# Altium PCB Austindetz_CM4_Board_v1.0.PcbDoc (part 2 of 6)
Units mil, origin at the board's own origin, x right, y up, seen from the top; angles counter-clockwise.
Board outline 4020 x 5659.29 mil, 6 copper layers (Top Layer, 02_GND1, 03_SIg1, 04_SIg2, 05_Pwr1, Bottom Layer), stack 60.56 mil thick; 407 components, 332 nets, 1812 pads, 973 vias.
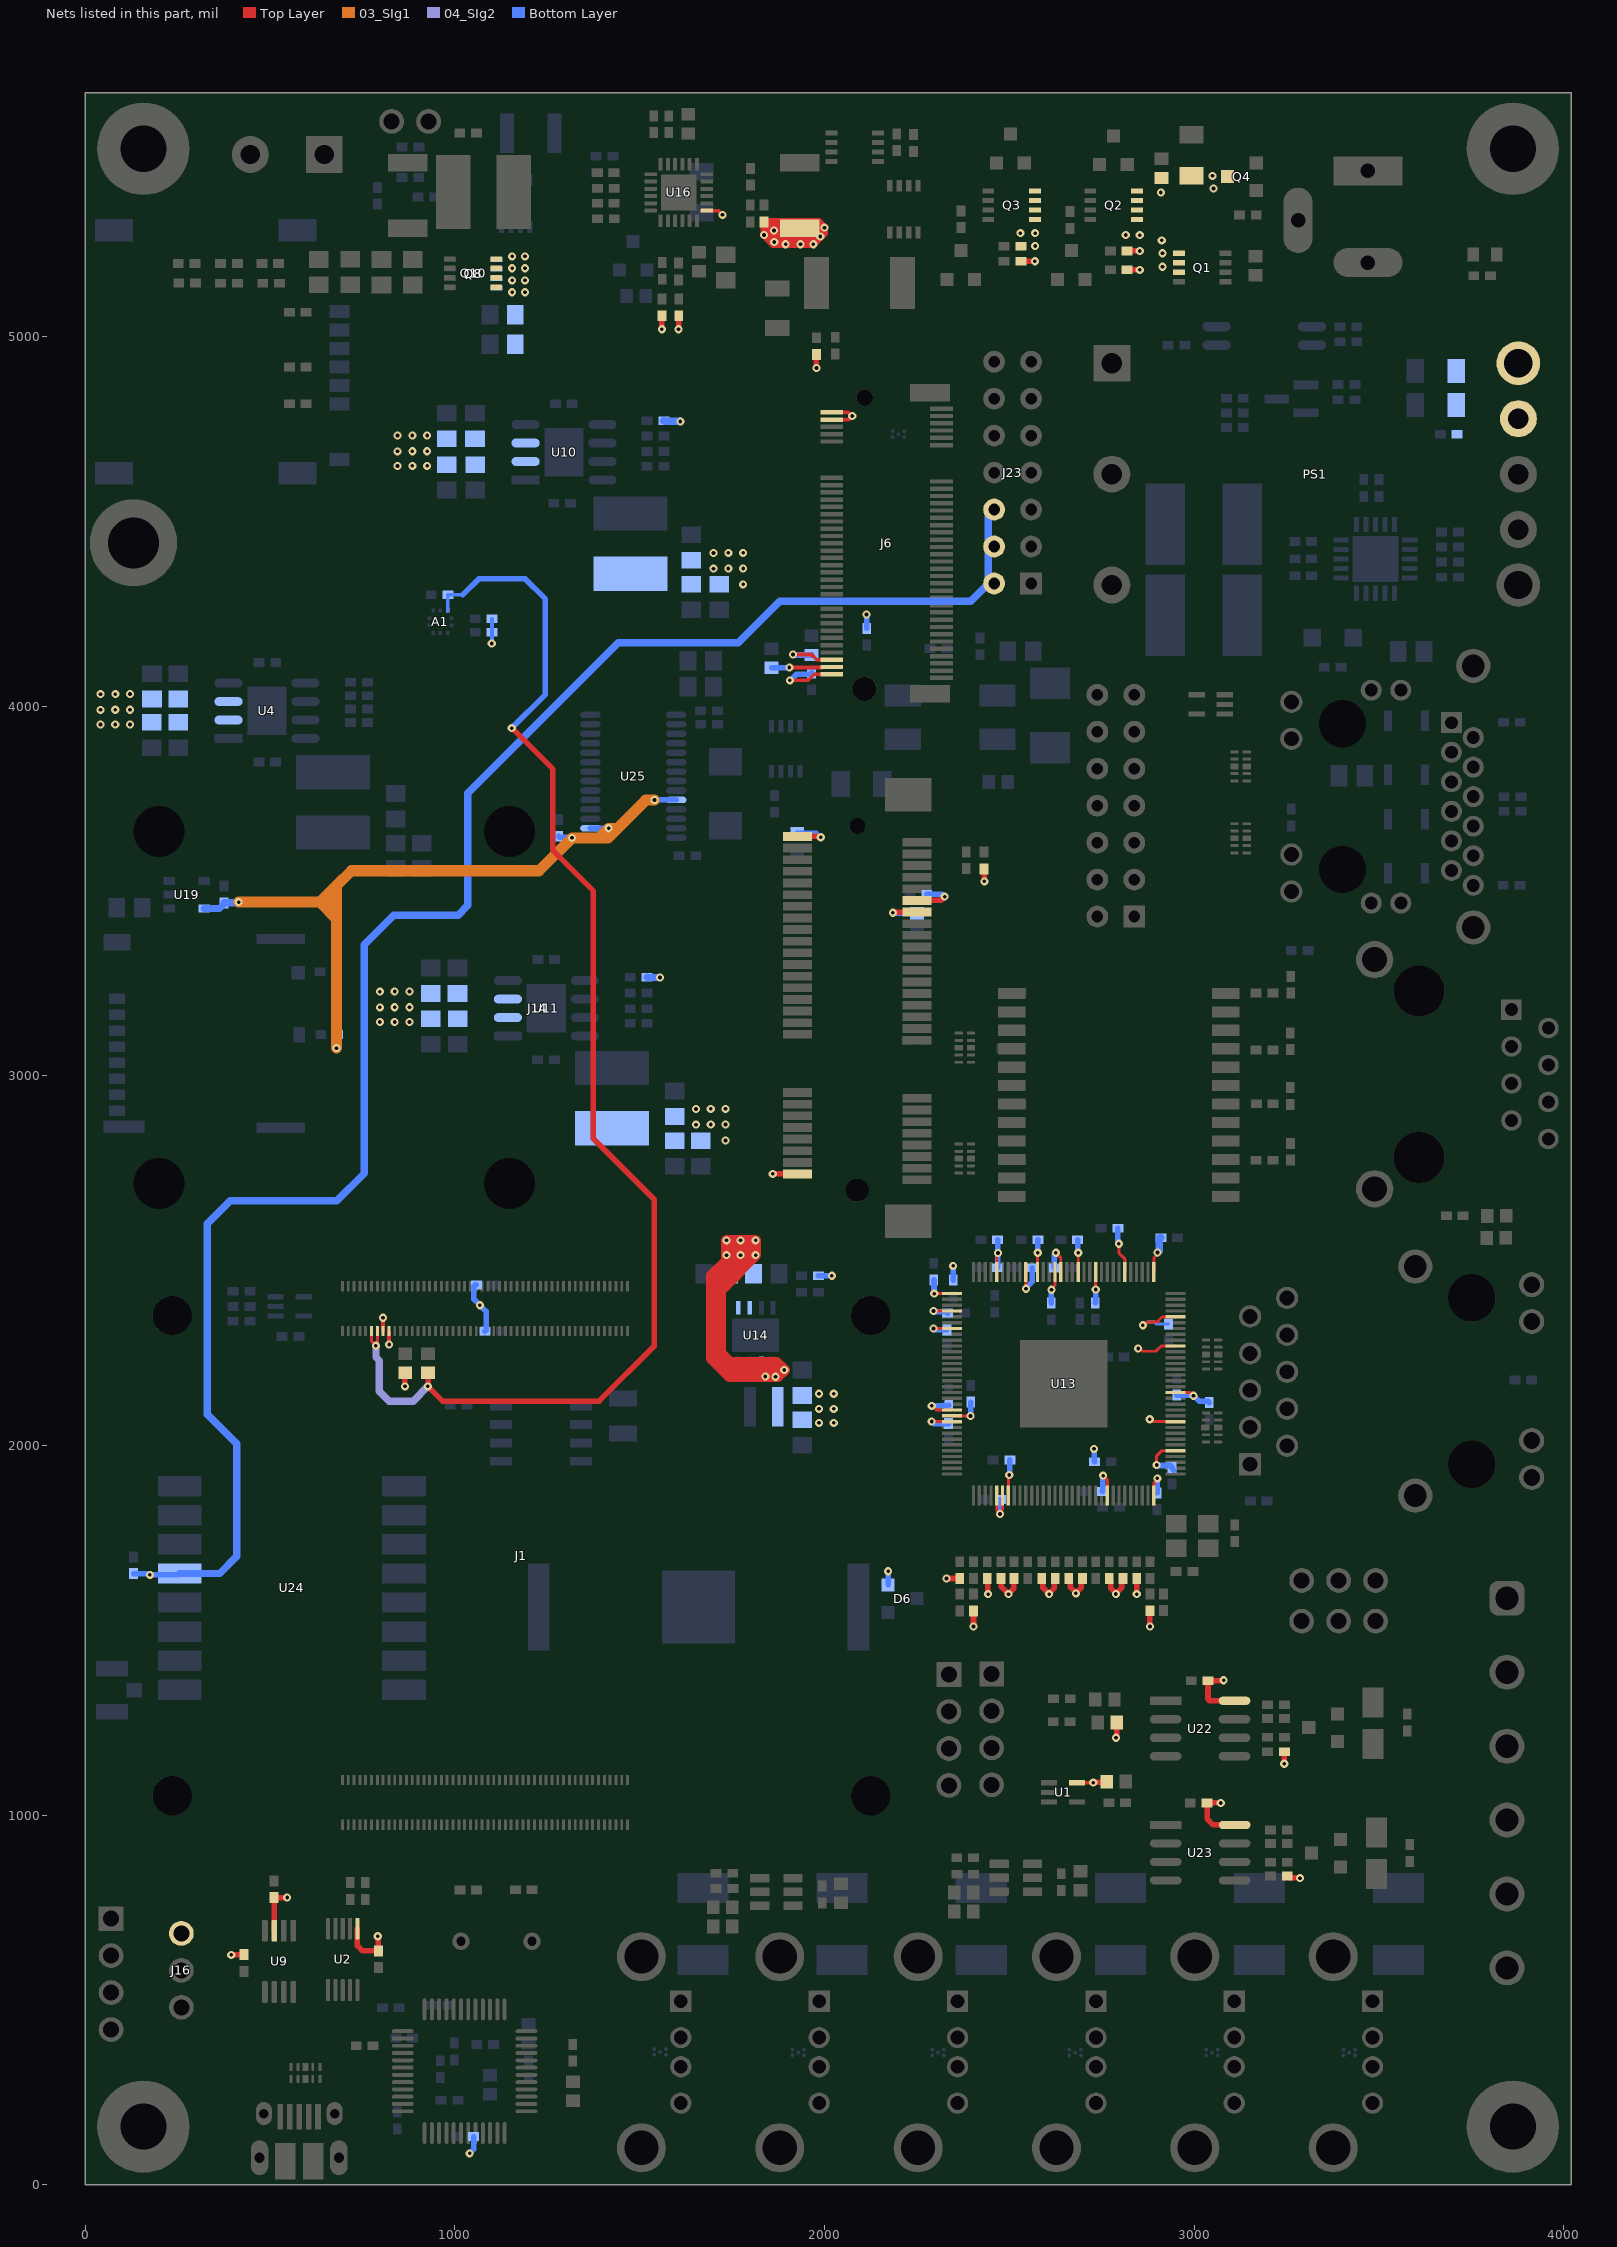
[diagram p6: the nets of this part, all layers, seen from the top]

## Footprints (in the part's own frame and the unit in brackets; to place one, negate y for a bottom-side part, rotate by r counter-clockwise, add the part's x,y. Pads: shape width x height; smd on the part's side, far side on the other; paste and mask are expansions set on the pad) (continued)
PCBComponent_1 [mm]
  oval 0.27x1.5 smd paste+0 mask+0.05: 1(-2.703,-4.457) 2(-2.203,-4.457) 3(-1.703,-4.457) 4(-1.203,-4.457) 5(-0.703,-4.457) 6(-0.203,-4.457) 7(0.297,-4.457) 8(0.797,-4.457) 9(1.297,-4.457) 10(1.797,-4.457) 11(2.297,-4.457) 12(2.797,-4.457) 25(2.797,4.043) 26(2.297,4.043) 27(1.797,4.043) 28(1.297,4.043) 29(0.797,4.043) 30(0.297,4.043) 31(-0.203,4.043) 32(-0.703,4.043) 33(-1.203,4.043) 34(-1.703,4.043) 35(-2.203,4.043) 36(-2.703,4.043)
  oval 1.5x0.27 smd paste+0 mask+0.05: 13(4.297,-2.957) 14(4.297,-2.457) 15(4.297,-1.957) 16(4.297,-1.457) 17(4.297,-0.957) 18(4.297,-0.457) 19(4.297,0.043) 20(4.297,0.543) 21(4.297,1.043) 22(4.297,1.543) 23(4.297,2.043) 24(4.297,2.543) 37(-4.203,2.543) 38(-4.203,2.043) 39(-4.203,1.543) 40(-4.203,1.043) 41(-4.203,0.543) 42(-4.203,0.043) 43(-4.203,-0.457) 44(-4.203,-0.957) 45(-4.203,-1.457) 46(-4.203,-1.957) 47(-4.203,-2.457) 48(-4.203,-2.957)
  silkscreen extent -3.44,-4.57 3.35,3.13, body extent -3.28,-3.52 3.35,3.13, height 0.8
"PIN HEADER 1x2 2.54mm" [mm]
  round 1.7 hole 1.1: 1(0,2.54) 2(0,0)
  silkscreen extent -1.22,-1.29 1.2,3.82
"PIN HEADER 1X3 2.54MM" [mm]
  round 1.7 hole 1.1: 1(0,2.54) 2(0,0) 3(0,-2.54)
  silkscreen extent -1.22,-3.84 1.2,3.82, body extent -1.28,-3.82 1.26,3.8, height 8.38
"PIN HEADER 1x3 2.54mm" [mm]
  round 1.7 hole 1.1: 1(0,2.54) 2(0,0) 3(0,-2.54)
  silkscreen extent -1.22,-3.84 1.2,3.82, body extent -1.28,-3.82 1.26,3.8, height 8.38
"PIN HEADER 1X4 2.54MM" [mm]
  rect 1.7x1.7 hole 1.1: 1(0,2.54)
  round 1.7 hole 1.1: 2(0,0) 3(0,-2.54) 4(0,-5.08)
  silkscreen extent -1.22,-6.37 1.2,3.82, body extent -1.27,-6.35 1.27,3.81, height 8.55
"PIN HEADER 1x4 2.54mm" [mm]
  rect 1.7x1.7 hole 1.1: 1(0,2.54)
  round 1.7 hole 1.1: 2(0,0) 3(0,-2.54) 4(0,-5.08)
  silkscreen extent -1.22,-6.37 1.2,3.82
"PIN HEADER 2X7 2.54MM" [mm]
  rect 1.5x1.5 hole 0.8: 1(0,-2.54)
  round 1.5 hole 0.8: 2(0,0) 3(2.54,-2.54) 4(2.54,0) 5(5.08,-2.54) 6(5.08,0) 7(7.62,-2.54) 8(7.62,0) 9(10.16,-2.54) 10(10.16,0) 11(12.7,-2.54) 12(12.7,0) 13(15.24,-2.54) 14(15.24,0)
  silkscreen extent -1.26,-3.74 16.49,1.2, body extent -1.27,-3.81 16.51,1.27, height 8.48
"PIN HEADER 2x7 2.54mm" [mm]
  rect 1.5x1.5 hole 0.8: 1(0,-2.54)
  round 1.5 hole 0.8: 2(0,0) 3(2.54,-2.54) 4(2.54,0) 5(5.08,-2.54) 6(5.08,0) 7(7.62,-2.54) 8(7.62,0) 9(10.16,-2.54) 10(10.16,0) 11(12.7,-2.54) 12(12.7,0) 13(15.24,-2.54) 14(15.24,0)
  silkscreen extent -1.26,-3.74 16.49,1.2, body extent -1.27,-3.81 16.51,1.27, height 8.48
POWERDI3333-8_UX_DIO [mil]
  rect 32x14 smd paste+0 mask+0: D(63,-38.39) D(63,-12.8) D(63,12.8) D(63,38.39) G(-63,-38.39) S(-63,-12.8) S(-63,12.8) S(-63,38.39)
  Top Layer region: 48,-53 48,53 -31,53 -31,-53
  silkscreen extent -91,-72 67,72, body extent -67,-67 67,67, height 33
PW0028A_N [mm]
  oval 1.4x0.45 smd paste+0 mask+0.051: 1(-2.95,4.225) 2(-2.95,3.575) 3(-2.95,2.925) 4(-2.95,2.275) 5(-2.95,1.625) 6(-2.95,0.975) 7(-2.95,0.325) 8(-2.95,-0.325) 9(-2.95,-0.975) 10(-2.95,-1.625) 11(-2.95,-2.275) 12(-2.95,-2.925) 13(-2.95,-3.575) 14(-2.95,-4.225) 15(2.95,-4.225) 16(2.95,-3.575) 17(2.95,-2.925) 18(2.95,-2.275) 19(2.95,-1.625) 20(2.95,-0.975) 21(2.95,-0.325) 22(2.95,0.325) 23(2.95,0.975) 24(2.95,1.625) 25(2.95,2.275) 26(2.95,2.925) 27(2.95,3.575) 28(2.95,4.225)
  silkscreen extent -3.5,-4.9 1.5,4.9, body extent -3.27,-4.91 3.27,4.91, height 0.7
QFN50P400X400X100-25N [mm]
  rrect25% 0.86x0.27 smd: 1(-1.935,1.25) 2(-1.935,0.75) 3(-1.935,0.25) 4(-1.935,-0.25) 5(-1.935,-0.75) 6(-1.935,-1.25) 13(1.935,-1.25) 14(1.935,-0.75) 15(1.935,-0.25) 16(1.935,0.25) 17(1.935,0.75) 18(1.935,1.25)
  rrect25% 0.27x0.86 smd: 7(-1.25,-1.935) 8(-0.75,-1.935) 9(-0.25,-1.935) 10(0.25,-1.935) 11(0.75,-1.935) 12(1.25,-1.935) 19(1.25,1.935) 20(0.75,1.935) 21(0.25,1.935) 22(-0.25,1.935) 23(-0.75,1.935) 24(-1.25,1.935)
  rect 2.45x2.45 smd paste-0.45: 25(0,0)
  silkscreen extent -2.55,-2 2,2, body extent -2,-2 2,2, height 1
QFN65P500X500X100-21N [mm]
  rrect25% 1.05x0.34 smd: 1(-2.36,1.3) 2(-2.36,0.65) 3(-2.36,0) 4(-2.36,-0.65) 5(-2.36,-1.3) 11(2.36,-1.3) 12(2.36,-0.65) 13(2.36,0) 14(2.36,0.65) 15(2.36,1.3)
  rrect25% 0.34x1.05 smd: 6(-1.3,-2.36) 7(-0.65,-2.36) 8(0,-2.36) 9(0.65,-2.36) 10(1.3,-2.36) 16(1.3,2.36) 17(0.65,2.36) 18(0,2.36) 19(-0.65,2.36) 20(-1.3,2.36)
  rect 3.15x3.15 smd paste-3: 21(0,0)
  silkscreen extent -3.58,-2.5 2.5,2.5, body extent -2.5,-2.5 2.5,2.5, height 0.5
R-0402/1005 [mm]
  rect 0.75x0.6 smd: 1(-0.556,0.014) 2(0.594,0.014)
  silkscreen extent -1.1,-0.45 1.13,0.48, body extent -0.48,-0.24 0.52,0.26, height 0.35
R-0603/1608 [mm] "Chip Resistor, 2-Leads, Body 1.60x0.80mm, IPC Medium Density"
  rect 0.85x0.95 smd: 1(-0.659,0.042) 2(0.651,0.042)
  silkscreen extent -1.25,-0.59 1.24,0.68, body extent -0.8,-0.35 0.8,0.45, height 0.45
R-0805/2012 [mm] "Chip Capacitor, 2-Leads, Body 2.00x1.20mm, IPC Medium Density"
  rect 1.15x1.35 smd: 1(-0.883,-0.009) 2(0.867,-0.009)
  silkscreen extent -1.71,-0.91 1.69,0.89, body extent -1.05,-0.68 1.05,0.68, height 0.6
R-1210 [mm]
  rect 0.96x2.72 smd: 1(-1.625,0) 2(1.625,0)
  silkscreen extent -0.91,-1.3 0.9,1.3, body extent -1.7,-1.3 1.7,1.3, height 1
RESC5125X89X51LL25T25 [mm] "Chip Resistor, 2-Leads, Body 5.33x2.79mm, IPC High Density"
  rect 1.2x2.7 smd: 1(-2.25,0) 2(2.25,0)
  silkscreen extent -1.25,-1.25 1.25,1.25, body extent -2.67,-1.4 2.67,1.4, height 0.89
RPI-CM4 [mm]
  rect 0.7x0.2 smd mask+0.07: 1(-18.5,7.3) 2(-15.42,7.3) 3(-18.5,6.9) 4(-15.42,6.9) 5(-18.5,6.5) 6(-15.42,6.5) 7(-18.5,6.1) 8(-15.42,6.1) 9(-18.5,5.7) 10(-15.42,5.7) 11(-18.5,5.3) 12(-15.42,5.3) 13(-18.5,4.9) 14(-15.42,4.9) 15(-18.5,4.5) 16(-15.42,4.5) 17(-18.5,4.1) 18(-15.42,4.1) 19(-18.5,3.7) 20(-15.42,3.7) 21(-18.5,3.3) 22(-15.42,3.3) 23(-18.5,2.9) 24(-15.42,2.9) 25(-18.5,2.5) 26(-15.42,2.5) 27(-18.5,2.1) 28(-15.42,2.1) 29(-18.5,1.7) 30(-15.42,1.7) 31(-18.5,1.3) 32(-15.42,1.3) 33(-18.5,0.9) 34(-15.42,0.9) 35(-18.5,0.5) 36(-15.42,0.5) 37(-18.5,0.1) 38(-15.42,0.1) 39(-18.5,-0.3) 40(-15.42,-0.3) 41(-18.5,-0.7) 42(-15.42,-0.7) 43(-18.5,-1.1) 44(-15.42,-1.1) 45(-18.5,-1.5) 46(-15.42,-1.5) 47(-18.5,-1.9) 48(-15.42,-1.9) 49(-18.5,-2.3) 50(-15.42,-2.3) 51(-18.5,-2.7) 52(-15.42,-2.7) 53(-18.5,-3.1) 54(-15.42,-3.1) 55(-18.5,-3.5) 56(-15.42,-3.5) 57(-18.5,-3.9) 58(-15.42,-3.9) 59(-18.5,-4.3) 60(-15.42,-4.3) 61(-18.5,-4.7) 62(-15.42,-4.7) 63(-18.5,-5.1) 64(-15.42,-5.1) 65(-18.5,-5.5) 66(-15.42,-5.5) 67(-18.5,-5.9) 68(-15.42,-5.9) 69(-18.5,-6.3) 70(-15.42,-6.3) 71(-18.5,-6.7) 72(-15.42,-6.7) 73(-18.5,-7.1) 74(-15.42,-7.1) 75(-18.5,-7.5) 76(-15.42,-7.5) 77(-18.5,-7.9) 78(-15.42,-7.9) 79(-18.5,-8.3) 80(-15.42,-8.3) 81(-18.5,-8.7) 82(-15.42,-8.7) 83(-18.5,-9.1) 84(-15.42,-9.1) 85(-18.5,-9.5) 86(-15.42,-9.5) 87(-18.5,-9.9) 88(-15.42,-9.9) 89(-18.5,-10.3) 90(-15.42,-10.3) 91(-18.5,-10.7) 92(-15.42,-10.7) 93(-18.5,-11.1) 94(-15.42,-11.1) 95(-18.5,-11.5) 96(-15.42,-11.5) 97(-18.5,-11.9) 98(-15.42,-11.9) 99(-18.5,-12.3) 100(-15.42,-12.3) 101(15.42,7.3) 102(18.5,7.3) 103(15.42,6.9) 104(18.5,6.9) 105(15.42,6.5) 106(18.5,6.5) 107(15.42,6.1) 108(18.5,6.1) 109(15.42,5.7) 110(18.5,5.7) 111(15.42,5.3) 112(18.5,5.3) 113(15.42,4.9) 114(18.5,4.9) 115(15.42,4.5) 116(18.5,4.5) 117(15.42,4.1) 118(18.5,4.1) 119(15.42,3.7) 120(18.5,3.7) 121(15.42,3.3) 122(18.5,3.3) 123(15.42,2.9) 124(18.5,2.9) 125(15.42,2.5) 126(18.5,2.5) 127(15.42,2.1) 128(18.5,2.1) 129(15.42,1.7) 130(18.5,1.7) 131(15.42,1.3) 132(18.5,1.3) 133(15.42,0.9) 134(18.5,0.9) 135(15.42,0.5) 136(18.5,0.5) 137(15.42,0.1) 138(18.5,0.1) 139(15.42,-0.3) 140(18.5,-0.3) 141(15.42,-0.7) 142(18.5,-0.7) 143(15.42,-1.1) 144(18.5,-1.1) 145(15.42,-1.5) 146(18.5,-1.5) 147(15.42,-1.9) 148(18.5,-1.9) 149(15.42,-2.3) 150(18.5,-2.3) 151(15.42,-2.7) 152(18.5,-2.7) 153(15.42,-3.1) 154(18.5,-3.1) 155(15.42,-3.5) 156(18.5,-3.5) 157(15.42,-3.9) 158(18.5,-3.9) 159(15.42,-4.3) 160(18.5,-4.3) 161(15.42,-4.7) 162(18.5,-4.7) 163(15.42,-5.1) 164(18.5,-5.1) 165(15.42,-5.5) 166(18.5,-5.5) 167(15.42,-5.9) 168(18.5,-5.9) 169(15.42,-6.3) 170(18.5,-6.3) 171(15.42,-6.7) 172(18.5,-6.7) 173(15.42,-7.1) 174(18.5,-7.1) 175(15.42,-7.5) 176(18.5,-7.5) 177(15.42,-7.9) 178(18.5,-7.9) 179(15.42,-8.3) 180(18.5,-8.3) 181(15.42,-8.7) 182(18.5,-8.7) 183(15.42,-9.1) 184(18.5,-9.1) 185(15.42,-9.5) 186(18.5,-9.5) 187(15.42,-9.9) 188(18.5,-9.9) 189(15.42,-10.3) 190(18.5,-10.3) 191(15.42,-10.7) 192(18.5,-10.7) 193(15.42,-11.1) 194(18.5,-11.1) 195(15.42,-11.5) 196(18.5,-11.5) 197(15.42,-11.9) 198(18.5,-11.9) 199(15.42,-12.3) 200(18.5,-12.3)
  round 2.7 hole 2.7 unplated: none(-16.5,24) none(-16.5,-24) none(16.5,24) none(16.5,-24)
  silkscreen extent -20,-27.5 20,27.5, body extent -18.63,-13.8 18.64,8.8, height 1.43
"SOIC-8 (W3.9MM)" [mm]
  rect 1.5x0.6 smd: 1(-2.771,1.746) 2(-2.771,0.476) 3(-2.771,-0.794) 4(-2.771,-2.064) 5(2.729,-2.064) 6(2.729,-0.794) 7(2.729,0.476) 8(2.729,1.746)
  silkscreen extent -2.85,-2.64 1.64,2.57, body extent -3.14,-2.66 3.03,2.34, height 1.98
SOP65P490X110-8N [mm]
  rrect50% 1.5x0.4 smd mask+0.05: 1(-2.105,0.975) 2(-2.105,0.325) 3(-2.105,-0.325) 4(-2.105,-0.975) 5(2.105,-0.975) 6(2.105,-0.325) 7(2.105,0.325) 8(2.105,0.975)
  silkscreen extent -3.5,-1.53 1.5,1.53, body extent -2.45,-1.5 2.45,1.5, height 1.1
SOT-23-3#1 [mm]
  rect 0.9x0.9 smd: 1(-0.969,-1.976) 2(0.931,-1.976) 3(0,0)
  silkscreen extent -1.5,-1.8 1.5,-0.45, body extent -1.51,-2.21 1.49,0.04, height 1.2
SOT-23-3#2 [mm]
  rect 0.9x0.9 smd: 1(-0.969,-0.876) 2(0.931,-0.876) 3(0,1.1)
  silkscreen extent -1.45,-0.65 1.45,0.65, body extent -1.51,-1.11 1.49,1.14, height 1.2
SOT-23-5 [mm] "SOT23, 5-Leads, Body 3.00x2.85mm, Pitch 0.95mm, IPC Medium Density"
  rect 0.8x0.55 smd: 1(-1.2,0.95) 2(-1.2,0) 3(-1.2,-0.95) 4(1.2,-0.95) 5(1.2,0.95)
  silkscreen extent -0.48,-1.39 0.51,1.43, body extent -1.41,-1.45 1.41,1.45, height 1.5
SOT-23-6 [mm]
  rrect25% 1.32x0.59 smd: 1(-1.145,0.95) 2(-1.145,0) 3(-1.145,-0.95) 4(1.145,-0.95) 5(1.145,0) 6(1.145,0.95)
  silkscreen extent -2.36,-1.56 0.8,1.56, body extent -1.21,-1.39 1.21,1.41, height 1.09
SOT-353 [mil]
  rect 44x14 smd: 1(-38,26) 2(-38,0) 3(-38,-26) 4(38,-26) 5(38,26)
  silkscreen extent -40,-45 45,45, body extent -45,-41 45,41, height 39
SWPA3015S2R2MT [mm]
  rect 0.8x2.7 smd: 1(-0.95,0) 2(0.95,0)
  silkscreen extent -1.52,-1.52 1.52,1.52, body extent -1.52,-1.52 1.52,1.52, height 1.5
TE_2199230-3 [mm]
  rect 0.3x1.55 smd: 1(-9.25,5.275) 2(-9,-2.275) 3(-8.75,5.275) 4(-8.5,-2.275) 5(-8.25,5.275) 6(-8,-2.275) 7(-7.75,5.275) 8(-7.5,-2.275) 9(-7.25,5.275) 10(-7,-2.275) 11(-6.75,5.275) 20(-4.5,-2.275) 21(-4.25,5.275) 22(-4,-2.275) 23(-3.75,5.275) 24(-3.5,-2.275) 25(-3.25,5.275) 26(-3,-2.275) 27(-2.75,5.275) 28(-2.5,-2.275) 29(-2.25,5.275) 30(-2,-2.275) 31(-1.75,5.275) 32(-1.5,-2.275) 33(-1.25,5.275) 34(-1,-2.275) 35(-0.75,5.275) 36(-0.5,-2.275) 37(-0.25,5.275) 38(0,-2.275) 39(0.25,5.275) 40(0.5,-2.275) 41(0.75,5.275) 42(1,-2.275) 43(1.25,5.275) 44(1.5,-2.275) 45(1.75,5.275) 46(2,-2.275) 47(2.25,5.275) 48(2.5,-2.275) 49(2.75,5.275) 50(3,-2.275) 51(3.25,5.275) 52(3.5,-2.275) 53(3.75,5.275) 54(4,-2.275) 55(4.25,5.275) 56(4.5,-2.275) 57(4.75,5.275) 58(5,-2.275) 59(5.25,5.275) 60(5.5,-2.275) 61(5.75,5.275) 62(6,-2.275) 63(6.25,5.275) 64(6.5,-2.275) 65(6.75,5.275) 66(7,-2.275) 67(7.25,5.275) 68(7.5,-2.275) 69(7.75,5.275) 70(8,-2.275) 71(8.25,5.275) 72(8.5,-2.275) 73(8.75,5.275) 74(9,-2.275) 75(9.25,5.275)
  rect 1.2x2.75 smd: S1(-10.35,4.5) S2(10.35,4.5)
  round 1.15 hole 1.15 unplated: ""(-10,0)
  round 1.65 hole 1.65 unplated: ""(10,0)
  silkscreen extent -10.95,-2.5 10.95,6.8, body extent -10.95,-2.85 10.95,5.85, height 4.09
"Terminal Block-1x2-5.08mm" [mil]
  rect 100x100 hole 52: 1(0,0)
  round 100 hole 52: 2(200,0)
  silkscreen extent -110,-157 312,197, body extent -108,-123 309,176, height 398
USB-micro [mm]
  rect 0.4x1.75 smd: 1(-1.3,2.825) 2(-0.65,2.825) 3(0,2.825) 4(0.65,2.825) 5(1.3,2.825)
  oval 1.2x2.4 hole 0.7 slot 1.2 at 90 deg: SH(-2.725,0) SH(2.725,0)
  oval 1.1x1.6 hole 0.65 slot 1.05 at 90 deg: SH(-2.425,3.03) SH(2.425,3.03)
  rect 1.425x2.5 smd: SH(-0.962,-0.25) SH(0.962,-0.25)
  silkscreen extent -4.06,-1.79 4,3.17, body extent -4.04,-2.83 4,3.2, height 2.92
V8BR1AX1GH [mm]
  rect 1.446x1.446 hole 0.89: 1(0,0)
  round 1.446 hole 0.89: 2(-1.02,-1.5) 3(-2.03,0) 4(-3.05,-1.5) 5(-4.06,0) 6(-5.08,-1.5) 7(-6.09,0) 8(-7.11,-1.5) 9(-8.12,0) 10(-9.14,-1.5) 11(-10.15,0) 12(-11.17,-1.5) 13(2.235,5.51) 14(2.235,3.48) 15(-12.395,5.51) 16(-12.395,3.48)
  round 1.53 hole 1.02: 17(1.435,11) 18(-1.105,11) 19(-9.055,11) 20(-11.595,11)
  round 1.625 hole 3.25 unplated: MH3(-0.075,7.49) MH4(-10.085,7.49)
  round 2.355 hole 1.57: S1(-14.07,-1.5) S2(3.91,-1.5)
  silkscreen extent -14.18,-7.93 4.81,12.72, body extent -14.38,-7.92 4.22,12.73, height 16.97
VISH-DO-214AC-2_L [mm] "DO-214AC, 2-Leads, Body 4.5x2.79mm, IPC High Density"
  rect 2.05x1.45 smd: 1(-1.425,0) 2(1.425,0)
  silkscreen extent -3.12,-1.4 2.25,1.4, body extent -2.25,-1.4 2.25,1.4, height 2.29
WLCSP5(2-1-2)_NEX [mil]
  round 10 smd paste+0 mask+0: A1(-7.87,15.75) A2(7.87,15.75) B1(0,0) C1(-7.87,-15.75) C2(7.87,-15.75)
  silkscreen extent 21,-3 21,3, body extent -15,-23 15,23, height 17
XCVR_RFM95W-915S2 [mm]
  rect 3x1.4 smd: 1(-7.7,7) 2(-7.7,5) 3(-7.7,3) 4(-7.7,1) 5(-7.7,-1) 6(-7.7,-3) 7(-7.7,-5) 8(-7.7,-7) 9(7.7,-7) 10(7.7,-5) 11(7.7,-3) 12(7.7,-1) 13(7.7,1) 14(7.7,3) 15(7.7,5) 16(7.7,7)
  silkscreen extent -9.87,-8 8,8, body extent -7.87,-8 8.13,8, height 1.8
XDCR_ENS220S-BLGT [mm]
  rect 0.275x0.25 smd mask+0.05: 1(-0.763,0.25) 2(-0.763,-0.25) 6(0.763,-0.25) 7(0.763,0.25)
  rect 0.25x0.275 smd mask+0.05: 3(-0.5,-0.763) 4(0,-0.763) 5(0.5,-0.763) 8(0.5,0.763) 9(0,0.763) 10(-0.5,0.763)
  silkscreen extent -1.6,-1 1,1, body extent -1,-1 1,1, height 0.75
XFMR_SM51625EL [mm]
  rect 1.9x0.76 smd: 1(-7.35,6.985) 2(-7.35,5.715) 3(-7.35,4.445) 4(-7.35,3.175) 5(-7.35,1.905) 6(-7.35,0.635) 7(-7.35,-0.635) 8(-7.35,-1.905) 9(-7.35,-3.175) 10(-7.35,-4.445) 11(-7.35,-5.715) 12(-7.35,-6.985) 13(7.35,-6.985) 14(7.35,-5.715) 15(7.35,-4.445) 16(7.35,-3.175) 17(7.35,-1.905) 18(7.35,-0.635) 19(7.35,0.635) 20(7.35,1.905) 21(7.35,3.175) 22(7.35,4.445) 23(7.35,5.715) 24(7.35,6.985)
  silkscreen extent -7.27,-8.77 6.1,8.77, body extent -8,-8.77 8,8.77, height 6.25
XTAL3215 [mil] "XTAL3215"
  rect 43.31x74.8 smd: 1(47.24,0) 2(-47.24,0)
  silkscreen extent -79,-46 79,47, body extent -63,-29 63,30, height 31
XTAL_ABM8G-25.000MHZ-4Y-T3 [mm]
  rect 1.2x1.4 smd: 1(-0.85,1.1) 2(-0.85,-1.1) 3(0.85,-1.1) 4(0.85,1.1)
  silkscreen extent -1.34,-0.08 1.25,2.24, body extent -1.6,-1.24 1.6,1.24, height 0.99

## Part data
A1: "Board Mount Pressure Sensors ENS220S-BLGT LGA10 T&R 3K5 - Premium accuracy barometric pressureand temperature sensor for activitytracking and indoor navigation /localization", Package=None, Check_prices=https://www.snapeda.com/parts/ENS220S-BLGT/ScioSense/view-part/?ref=eda, MF=ScioSense, MP=ENS220S-BLGT, SnapEDA_Link=https://www.snapeda.com/parts/ENS220S-BLGT/ScioSense/view-part/?ref=snap
BATT1: library part Coin-Cell, "BATTERY RETAINER COIN 20MM SMD", Supplier Part No.=36-3034-ND, Mfr. Part No.=3034, Supplier="Digikey Electronics", Unit Price (USD)=0.33
C1 C4 C17 C20 C21 C36 C57 C58 C59 C93 C103 C109 C110: library part Capacitor-NonPolar, "CAP CER 10UF 10V X7R 0805", Mfr. Part No.=GRM21BR71A106KA73K, Supplier Part No.=490-14381-1-ND, Supplier="Digikey Electronics", Unit Price (USD)=0.19
C2 C3 C5 C6 C7 C8 C13 C14 C15 C16 C18 C19 C22 C37 C53 C54 C60 C61 C62 C63 C64 C65 C66 C67 C68 C69 C70 C77 C78 C104 C111 C121 C122 C125 C126 C127 C128 C129 C130 C131 C132 C133 C134 C135 C136 C137 C153: library part Capacitor-NonPolar, "CAP CER 0.1UF 16V X7R 0402", Mfr. Part No.=GCM155R71C104KA55D, Supplier Part No.=490-4759-1-ND, Supplier="Digikey Electronics", Unit Price (USD)=0.1
C9 C10: library part Capacitor-NonPolar, "CAP CER 27PF 50V CH 0402", Mfr. Part No.=UMK105CH270JVHF, Supplier Part No.=587-5076-1-ND, Supplier="Digikey Electronics", Unit Price (USD)=0.1
C11 C12 C23 C24 C25 C26 C27 C28 C29 C30 C31 C32 C33 C34 C35 C38 C39 C41 C42 C43 C44 C45 C46 C47 C48 C49 C50 C51 C52 C55 C56 C149 C150 C151 C152: library part "CAP 1206/3216", "CAP CER 10UF 25V X5R 1206", Mfr. Part No.=C1206C106M3PACTU, Supplier Part No.=399-8153-1-ND, Supplier="Digikey Electronics", Unit Price (USD)=0.28
C40 C71 C72 C73 C74 C75 C76 C94 C95 C102 C105 C106 C107 C108 C118 C119 C120 C123 C124 C138 C139 C140 C141 C142 C143 C144 C145 C146 C147 C148: library part Capacitor-NonPolar, "CAP CER 0.1UF 50V X7R 0402", Mfr. Part No.=UMK105B7104KV-FR, Supplier Part No.=587-3498-1-ND, Supplier="Digikey Electronics", Unit Price (USD)=0.15
C79 C80: library part CMP-06035-058120-1, "Cap Ceramic 22uF 100V X7R ±15% SMD 2220 +125°C Emboss T/R", Capacitance=22uF, Case/Package=SMD/SMT, Max Operating Temperature=125°C, Min Operating Temperature=-55°C, Tolerance=20%, Voltage Rating=100V, Lead/Base Style=J-Lead, Mount="Surface Mount", Packaging="Tape and Reel"
C112 C113 C114 C115 C116 C117: library part Capacitor-Polar, "CAP TANT 10UF 10% 16V 1206", Mfr. Part No.=F931C106KAAAJ6, Supplier Part No.=478-10723-1-ND, Supplier="Digikey Electronics", Unit Price (USD)=0.67
D1 D4 D21: library part "LED SMD", "LED RED CLEAR CHIP SMD R/A", Mfr. Part No.=LTST-S270KRKT, Supplier Part No.=160-1479-1-ND, Supplier="Digikey Electronics", Unit Price (USD)=0.24
D2: library part "LED SMD", "LED GREEN CLEAR CHIP SMD R/A", Mfr. Part No.=LTST-S270KGKT, Supplier Part No.=160-1478-1-ND, Supplier="Digikey Electronics", Unit Price (USD)=0.24
D3: "TVS DIODE 5.5V 8V 10USON", Mfr. Part No.=TPD4EUSB30DQAR, Supplier Part No.=296-28063-1-ND, Supplier="Digikey Electronics", Unit Price (USD)=0.79
D5 D13 D16 D27: library part Diode-LED, Supplier="Digikey Electronics"
D6: "DIODE ARRAY SCHOTTKY 30V SOT23-3", Supplier Part No.=BAT54C-FDICT-ND, Mfr. Part No.=BAT54C-7-F, Supplier="Digikey Electronics", Unit Price (USD)=0.18
D7: library part LED0, "Typical INFRARED GaAs LED", LatestRevisionDate=08-Jul-2005, LatestRevisionNote="Mech Layer 1 removed.", PackageDescription="LED; 2 Leads", PackageReference=LED-0, Published=8-Jun-2000, Publisher="Altium Limited"
D8: library part "D Zener", "Zener Diode", LatestRevisionDate=17-Jul-2002, LatestRevisionNote="Re-released for DXP Platform.", PackageDescription="Diode, Thru-Hole; 2 Leads; 0.7 in Pin Spacing", PackageReference=DIODE-0.7, Published=8-Jun-2000, Publisher="Altium Limited"
D9 D11 D12: "Typical INFRARED GaAs LED", LatestRevisionDate=08-Jul-2005, LatestRevisionNote="Mech Layer 1 removed.", PackageDescription="LED; 2 Leads", PackageReference=LED-0, Published=8-Jun-2000, Publisher="Altium Limited"
D10: library part "Diode Schottky_1", "Schottky Diode", Code_JEDEC=DO-214-AA, LatestRevisionDate=17-Jul-2002, LatestRevisionNote="Re-released for DXP Platform.", PackageDescription="DO-214-AA/SMB; 2 C-Bend Leads; Body 5.3 x 3.6 mm, inc. leads (LxW)", PackageReference=SMB, Published=8-Jun-2000, Publisher="Altium Limited"
D14 D15: library part "Diode GENERAL", "Diode GENERAL", Code_JEDEC=DO-214-AA, LatestRevisionDate=17-Jul-2002, LatestRevisionNote="Re-released for DXP Platform.", PackageDescription="DO-214-AA/SMB; 2 C-Bend Leads; Body 5.3 x 3.6 mm, inc. leads (LxW)", PackageReference=SMB, Published=8-Jun-2000, Publisher="Altium Limited"
D17 D18: library part CMP-0548-00111-2, "Transient Voltage Suppressor, 6.40 to 231 V, 12 V Stand-off Voltage, Bi-Directional, -55 to 155 degC, 2-pin DO-214AC, Pb-Free, Tape and Reel", Manufacturer="Vishay Semiconductor", Operating Junction and Storage Temperature Range="-55 to 150 degC", ComponentLink1Description="Manufacturer URL", ComponentLink1URL=http://www.vishay.com/, ComponentLink2Description=Datasheet, ComponentLink2URL=http://www.vishay.com/docs/88390/smaj50a.pdf, ComponentLink3Description="Package Specification", ComponentLink3URL=http://www.vishay.com/docs/88390/smaj50a.pdf, DatasheetVersion=12/8/2013, ID (uA)=2, IFSM="40 A", Mounting Technology="Surface Mount", PackageDescription="2-Pin DO-214AC (SMA), Body 4.245 x 2.665 mm", PackageReference=DO-214AC-2, Packing="Tape and Reel", PartNumber=SMAJ12CAHE3/5A, PPPM (W)="400, 300", RoHS=TRUE, VBR Bi-Directional (V)="6.4 to 231", VWM (V)=12